# Altium PCB arman-PCB.PcbDoc
Units mm, origin at the board's own origin, x right, y up, seen from the top; angles counter-clockwise.
Board outline 150.24 x 120.76 mm, 2 copper layers (Top Layer, Bottom Layer); 66 components, 68 nets, 240 pads, 10 vias.
Unrouted connection lines stored in the file: 4.
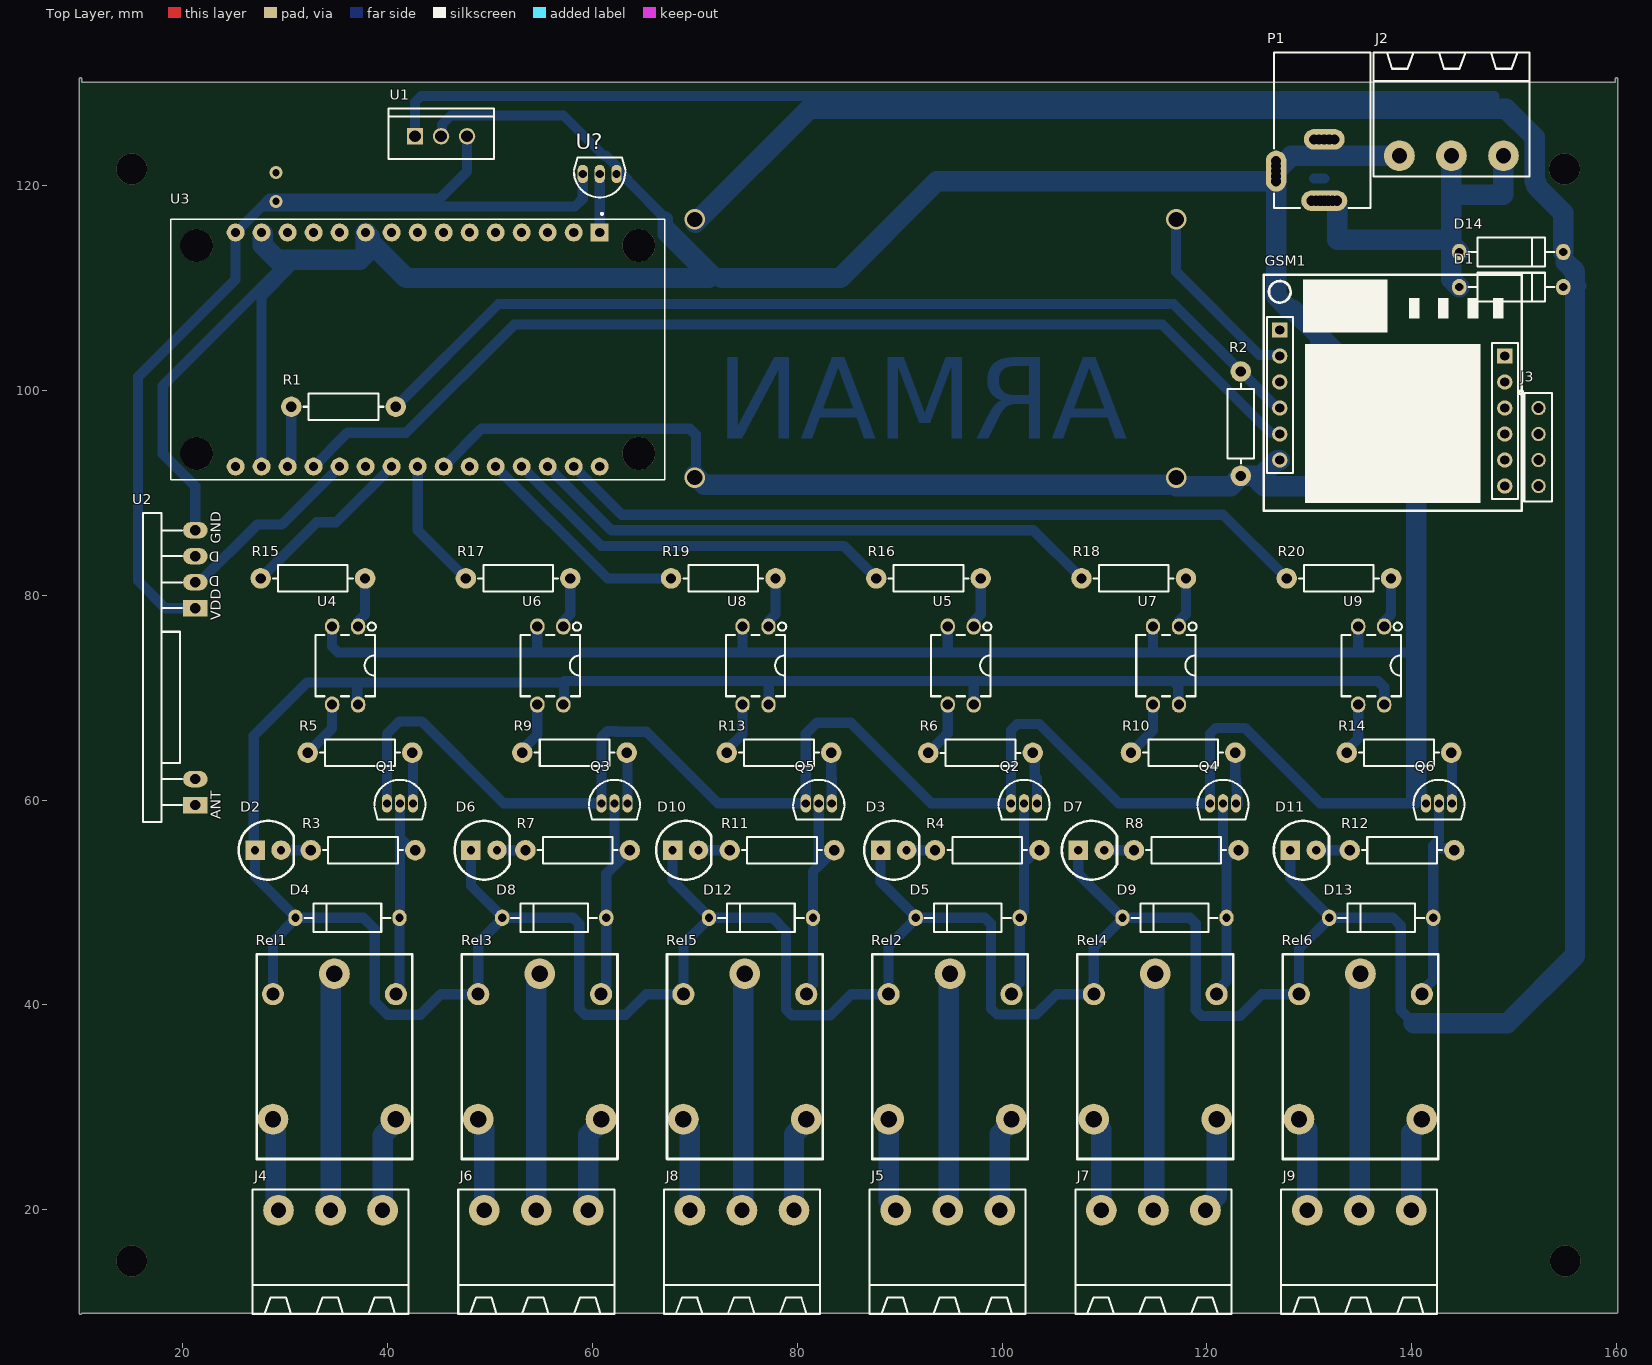
[diagram p0: Top Layer view]
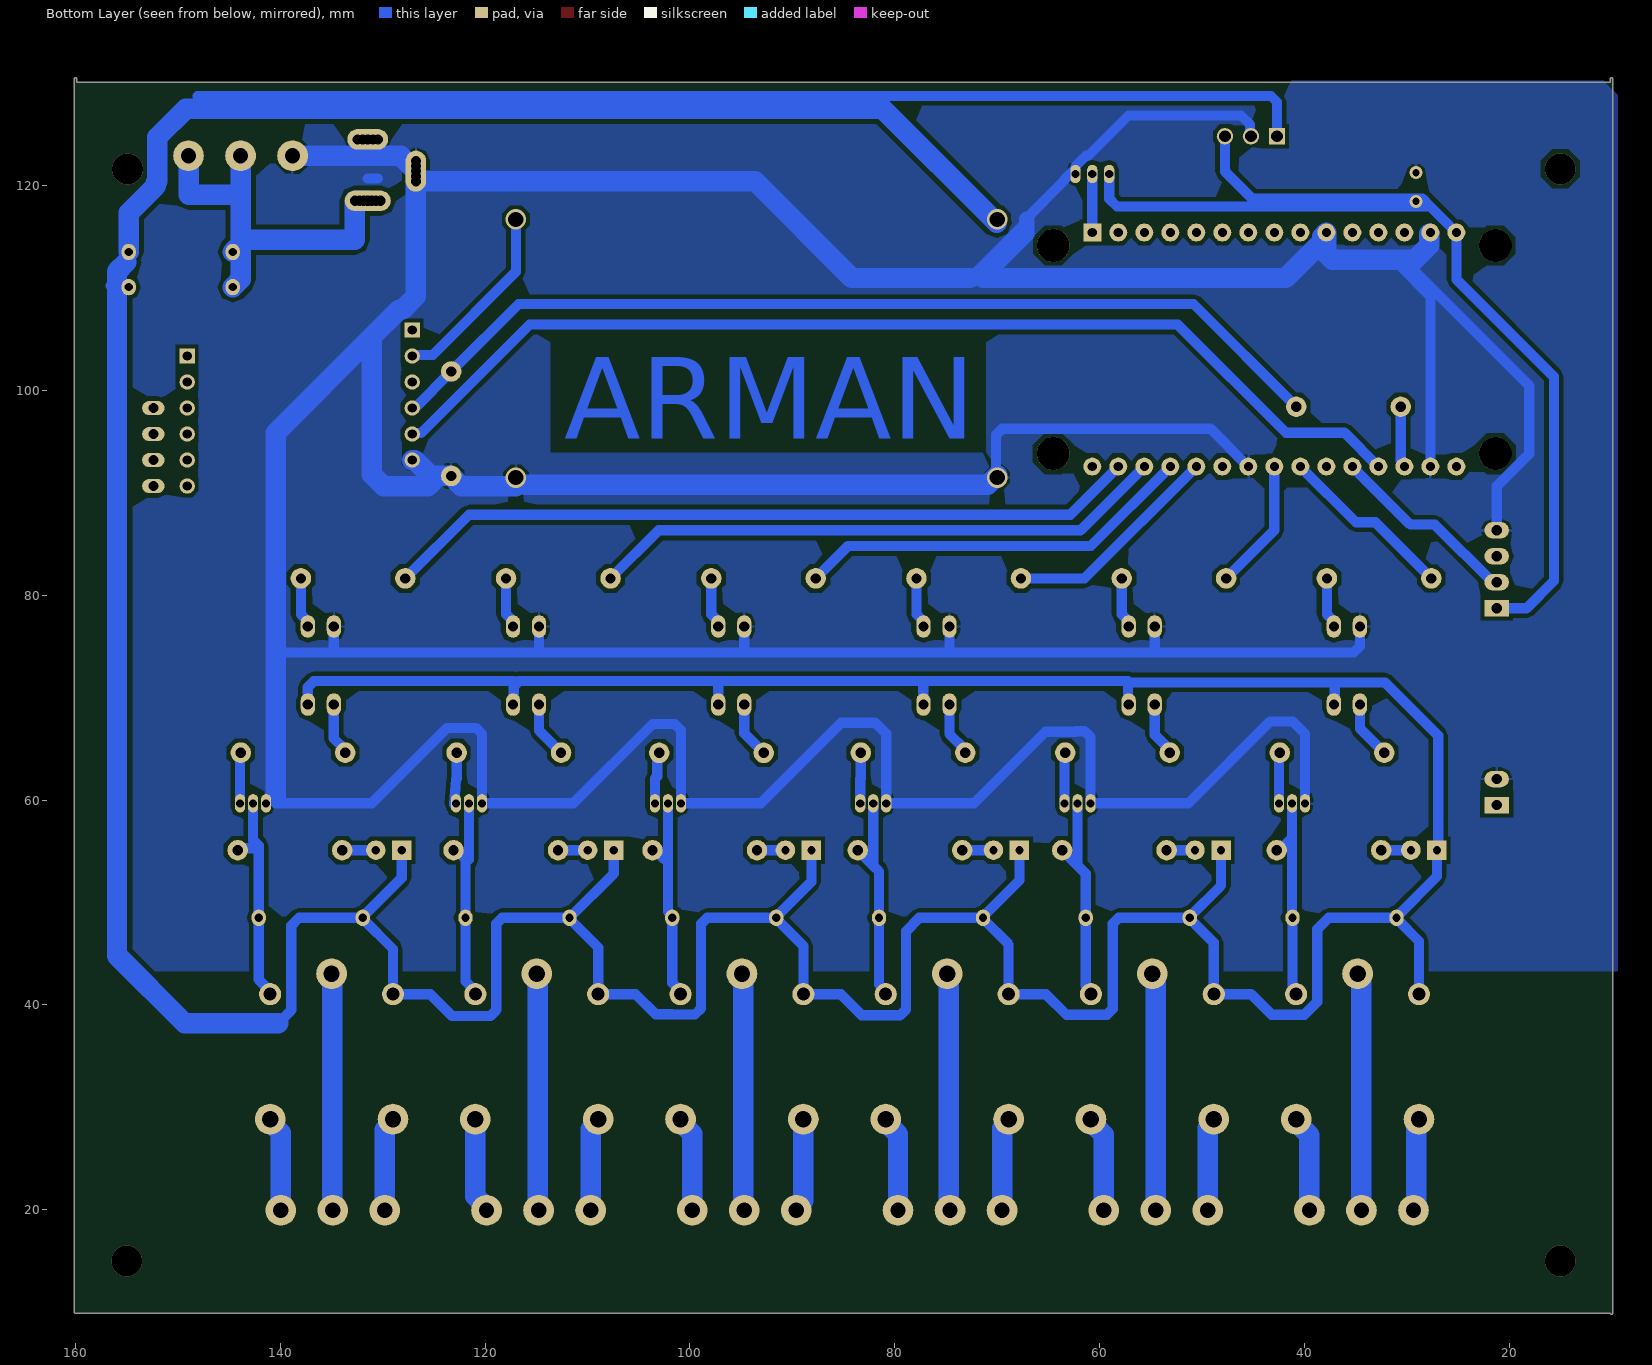
[diagram p1: Bottom Layer view, seen from below]

## Layer stack, top to bottom
Top Solder: solder mask 0.0102, Solder Resist, Dk 3.5
Top Layer: signal copper 0.0356
Dielectric 1: dielectric 0.32, FR-4, Dk 4.8
Bottom Layer: signal copper 0.0356
Bottom Solder: solder mask 0.0102, Solder Resist, Dk 3.5

## Board outline
9.88,9.906 ccw(c10,9.906) 10.117,9.88 160,9.88 ccw(c160,10) 160.12,10 160.12,130.429 ccw(c160,130.429) 159.88,130.429 159.88,130.12 10.12,130.12 10.12,130.429 ccw(c10,130.429) 9.88,130.429

## Design rules (kind name [scope] priority, off if disabled: settings)
Clearance [All] p1: gap=0.4 ignorepadtopadclearanceinfootprint=FALSE
DiffPairsRouting [All] p1: maxlimit=0.4 minlimit=0.05 mostfreqgap=0.2 toplayer_minwidth=0.1 toplayer_maxwidth=0.381 toplayer_prefwidth=0.2 bottomlayer_minwidth=0.1 bottomlayer_maxwidth=0.381 bottomlayer_prefwidth=0.2 maxuncoupledlength=12.7
PlaneClearance [All] p1: clearance=0.8
PolygonConnect PolygonConnect_1 [All vs IsNamedPolygon('GND_L02_P000')] p1: connectstyle=Relief reliefconductorwidth=0.254 reliefentries=4 polygonreliefangle="90 Angle" airgapwidth=0.254
PolygonConnect [All] p2: connectstyle=Relief reliefconductorwidth=0.254 reliefentries=4 polygonreliefangle="90 Angle" airgapwidth=0.4
RoutingCorners [All] p1: cornerstyle=45-Degree minsetback=0.254 maxsetback=0.254
RoutingVias [All] p1: holewidth=0.711 width=1.27 viastyle="Through Hole" minholewidth=0.711 minwidth=1.27 maxholewidth=0.711 maxwidth=1.27
SolderMaskExpansion [All] p1: expansion=0.102 istentingtop=FALSE
Width [All] p1: maxlimit=2 minlimit=0.24 preferedwidth=0.48
27 further rules are at their usual default settings.

## Components (designator, comment, footprint, x,y, rotation, side; value= is the part's Value field where it differs from the comment)
D1 "1N4007" D_AX04_DO41 149.733,110.109 r0 top
D2 "LED" LED 28.321,55.118 r180 top
D3 "LED" LED 89.408,55.118 r180 top
D4 "1N4007" D_AX04_DO41 36.068,48.514 r180 top
D5 "1N4007" D_AX04_DO41 96.647,48.514 r180 top
D6 "LED" LED 49.403,55.118 r180 top
D7 "LED" LED 108.712,55.118 r180 top
D8 "1N4007" D_AX04_DO41 56.261,48.514 r180 top
D9 "1N4007" D_AX04_DO41 116.84,48.514 r180 top
D10 "LED" LED 69.088,55.118 r180 top
D11 "LED" LED 129.413,55.118 r180 top
D12 "1N4007" D_AX04_DO41 76.454,48.514 r180 top
D13 "1N4007" D_AX04_DO41 137.033,48.514 r180 top
D14 "1N4007" D_AX04_DO41 149.733,113.538 r0 top
GSM1 "Sim800L" Sim800L 125.527,111.023 r0 top
J2 "CONN_TB3" MSTB_3 143.891,122.936 r0 top
J3 "HDRF4" HDR_F_1X4 152.4,94.488 r270 top
J4 "CONN_TB3" MSTB_3 34.417,19.939 r180 top
J5 "CONN_TB3" MSTB_3 94.691,19.939 r180 top
J6 "CONN_TB3" MSTB_3 54.508,19.939 r180 top
J7 "CONN_TB3" MSTB_3 114.783,19.939 r180 top
J8 "CONN_TB3" MSTB_3 74.6,19.939 r180 top
J9 "CONN_TB3" MSTB_3 134.874,19.939 r180 top
P1 "PJ" "Power Jack" 131.465,133.036 r270 top
Q1 "C945" TO92_3#1 41.19,59.69 r0 top
Q2 "C945" TO92_3#1 102.15,59.69 r0 top
Q3 "C945" TO92_3#1 62.145,59.69 r0 top
Q4 "C945" TO92_3#1 121.581,59.69 r0 top
Q5 "C945" TO92_3#1 82.104,59.69 r0 top
Q6 "C945" TO92_3#1 142.663,59.69 r0 top
R1 "2.2K" R025W_AX04 35.687,98.425 r0 top
R2 "1K" R025W_AX04 123.317,96.774 r90 top
R3 "2.2K" R025W_AX04 37.592,55.118 r0 top
R4 "2.2K" R025W_AX04 98.552,55.118 r0 top
R5 "1K" R025W_AX04 37.294,64.644 r0 top
R6 "1K" R025W_AX04 97.897,64.623 r0 top
R7 "2.2K" R025W_AX04 58.547,55.118 r0 top
R8 "2.2K" R025W_AX04 117.983,55.118 r0 top
R9 "1K" R025W_AX04 58.249,64.644 r0 top
R10 "1K" R025W_AX04 117.685,64.644 r0 top
R11 "2.2K" R025W_AX04 78.506,55.118 r0 top
R12 "2.2K" R025W_AX04 139.065,55.118 r0 top
R13 "1K" R025W_AX04 78.212,64.644 r0 top
R14 "1K" R025W_AX04 138.767,64.644 r0 top
R15 "220" R025W_AX04 32.694,81.661 r0 top
R16 "220" R025W_AX04 92.816,81.661 r0 top
R17 "220" R025W_AX04 52.735,81.661 r0 top
R18 "220" R025W_AX04 112.856,81.661 r0 top
R19 "220" R025W_AX04 72.775,81.661 r0 top
R20 "220" R025W_AX04 132.897,81.661 r0 top
Rel1 "RelayGH-1C-12L" GH-1C-12L 34.798,34.955 r90 top
Rel2 "RelayGH-1C-12L" GH-1C-12L 94.92,34.955 r90 top
Rel3 "RelayGH-1C-12L" GH-1C-12L 54.839,34.955 r90 top
Rel4 "RelayGH-1C-12L" GH-1C-12L 114.96,34.955 r90 top
Rel5 "RelayGH-1C-12L" GH-1C-12L 74.879,34.955 r90 top
Rel6 "RelayGH-1C-12L" GH-1C-12L 135.001,34.955 r90 top
U1 "7805" 7805_Requlator 45.212,124.841 r0 top
U2 "RXB-22 433MHZ" RF_ETRXB 21.209,82.55 r90 top
U3 "NodeMCU" NodeMCU -10.795,245.872 r270 top
U4 "PC817" DIP_4 35.842,73.152 r270 top
U5 "PC817" DIP_4 95.964,73.152 r270 top
U6 "PC817" DIP_4 55.883,73.152 r270 top
U7 "PC817" DIP_4 116.005,73.152 r270 top
U8 "PC817" DIP_4 75.924,73.152 r270 top
U9 "PC817" DIP_4 136.045,73.152 r270 top
U? "LM35" TO92_3#2 60.706,121.158 r180 top

## Footprints (in the part's own frame and the unit in brackets; to place one, negate y for a bottom-side part, rotate by r counter-clockwise, add the part's x,y. Pads: shape width x height; smd on the part's side, far side on the other; paste and mask are expansions set on the pad)
7805_Requlator [mm] "7805 Positive Regulator"
  rect 1.6x1.6 hole 1.143: 1(-2.54,0)
  round 1.6 hole 1.143: 2(0,0) 3(2.54,0)
  silkscreen extent -5.15,-2.2 5.15,2.7, body extent -4.95,-2.16 4.95,2.34, height 20.8
D_AX04_DO41 [mm] "DIODE 0.4 INCH SPACING DO-41"
  oval 1.4x1.6 hole 0.8: 1(-5.08,0) 2(5.08,0)
  silkscreen extent -4.2,-1.4 4.2,1.4, body extent -5.68,-1.32 5.68,1.4, height 2.85
DIP_4 [mm] "BRIDGE DIODE, DIP, pitch 2.54mm, 300mil Width"
  oval 1.6x1.4 / inner round 1.4 / far side oval 2.2x1.4 hole 1: 1(-3.81,1.27) 2(-3.81,-1.27) 3(3.81,-1.27) 4(3.81,1.27)
  silkscreen extent -4.2,-2.9 3,3, body extent -4,-2.77 4,2.77, height 4.31
GH-1C-12L [mm]
  round 3 hole 1.6: 1(8.1,0) 3(-6.1,6) 4(-6.1,-6)
  round 2.159 hole 1.27: 2(6.1,6) 5(6.1,-6)
  silkscreen extent -10,-7.6 10,7.6, body extent -9.71,-7.98 9.79,7.92, height 15
HDR_F_1X4 [mm] "HEADER FEMALE pitch: 2.54mm"
  round 1.4 / inner round 1.4 / far side oval 1.4x2.2 hole 1 mask+0.1: 1(-3.81,0) 2(-1.27,0) 3(1.27,0) 4(3.81,0)
  silkscreen extent -5.54,-1.9 5.3,1.3, body extent -5.2,-1.3 5.21,1.2, height 8.5
LED [mm]
  rect 1.9x1.9 hole 0.8: 1(1.27,0)
  round 1.9 hole 0.8: 2(-1.27,0)
  silkscreen extent -2.52,-2.87 2.87,2.87, body extent -2.95,-2.95 2.95,2.95, height 8.79
MSTB_3 [mm] "PHOENIX MSTB 2, 5-G, 5.08mm pitch, 3pin"
  round 3 hole 1.5: 1(-5.08,0) 2(0,0) 3(5.08,0)
  silkscreen extent -7.62,-2.03 7.62,10.1, body extent -7.5,-2 7.5,10, height 8.6
NodeMCU [mil]
  rect 69x69 hole 35: 1(5135,2815)
  round 69 hole 35: 2(5135,2715) 3(5135,2615) 4(5135,2515) 5(5135,2415) 6(5135,2315) 7(5135,2215) 8(5135,2115) 9(5135,2015) 10(5135,1915) 11(5135,1815) 12(5135,1715) 13(5135,1615) 14(5135,1515) 15(5135,1415) 16(6035,1415) 17(6035,1515) 18(6035,1615) 19(6035,1715) 20(6035,1815) 21(6035,1915) 22(6035,2015) 23(6035,2115) 24(6035,2215) 25(6035,2315) 26(6035,2415) 27(6035,2515) 28(6035,2615) 29(6035,2715) 30(6035,2815)
  round 125.98 hole 125.98 unplated: ""(5185,2965) ""(5185,1265) ""(5985,2965) ""(5985,1265)
  silkscreen extent 5059,1165 6085,3065, body extent 5085,1156 6085,3070, height 505
"Power Jack" [mm] "Power Adaptor Jack"
  round 1.5 hole 1: 1(14.5,-1.25) 1(14.5,-0.8) 1(14.5,-0.4) 1(14.5,0.4) 1(14.5,0.8) 1(14.5,1.25) 2(8.5,-1) 2(8.5,1) 2(8.5,-0.5) 2(8.5,0.5) 3(10.6,-4.7) 3(11.1,-4.7) 3(12.1,-4.7) 3(12.6,-4.7)
  oval 2x4.5 hole 1: 1(14.5,0)
  oval 2x4 hole 1: 2(8.5,0)
  oval 4x2 hole 1: 3(11.6,-4.7)
  silkscreen extent 0,-4.9 15.2,4.5, body extent 0,-4.9 15.2,4.5, height 11
R025W_AX04 [mm] "RESISTOR 1/4 WATT, AXIAL0.4"
  round 2 hole 1: 1(-5.1,0) 2(5.1,0)
  silkscreen extent -3.9,-1.3 3.9,1.3, body extent -5.38,-1.28 5.38,1.28, height 2.6
RF_ETRXB [mm] "Module RF, Receiver, ET-RXB-12, ET-RXB-22"
  rect 1.6x2.4 hole 1: 1(-23.03,0) 3(-3.81,0)
  oval 1.6x2.4 hole 1: 2(-20.49,0) 4(-1.27,0) 5(1.27,0) 6(3.81,0)
  silkscreen extent -24.7,1.3 5.5,5.1, body extent -24.6,-2.05 5.4,6.4, height 8.5
Sim800L [mm]
  rect 1.5x1.5 hole 0.9: 1(1.6,-5.105) 7(23.571,-7.645)
  round 1.5 hole 0.9: 2(1.6,-7.645) 3(1.6,-10.185) 4(1.6,-12.725) 5(1.6,-15.265) 6(1.6,-17.805) 8(23.571,-10.185) 9(23.571,-12.725) 10(23.571,-15.265) 11(23.571,-17.805) 12(23.571,-20.345)
  silkscreen extent 0.03,-22.76 25.22,0.28, body extent 0.12,-23 25.12,0.14, height 10.1
TO92_3#1 [mm] "TO-92, SOT54"
  oval 1x1.8 hole 0.8 mask+0.1: 1(-1.27,0) 2(0,0) 3(1.27,0)
  silkscreen extent -2.5,-1.59 2.5,2.3, body extent -2.38,-1.45 2.38,2.18, height 4.82
TO92_3#2 [mm] "TO-92, SOT54"
  oval 1x1.8 hole 0.8 mask+0.1: 1(-1.651,0) 2(0,0) 3(1.651,0)
  silkscreen extent -2.5,-1.59 2.5,2.3, body extent -2.38,-1.45 2.38,2.18, height 4.82

## Part data
D1 D4 D5 D8 D9 D12 D13 D14: library part DIODE_THD_1N4007, "DIODE, GENERAL PURPOSE, 1000V/1A", ASSEMBLY=ASSEMBLY, DESC=DESCRIPTION, MANF=Diodes, MANF_P#=1N4007, PARAM="1000V, 1.15V", PARAM2=1.5A, Price=PRICE
D2 D3 D6 D7 D10 D11: "Led", LatestRevisionDate=08-Jul-2005, LatestRevisionNote="Mech Layer 1 removed.", PackageReference=LED-0, Published=8-Jun-2000, PUBLISHER="Altium Limited"
J2 J4 J5 J6 J7 J8 J9: library part CONN_MSTB_3, "CONN, PHOENIX MSTB, 5-G, 5.08mm pitch"
J3: library part HDR_F_1X4, "CONN, HEADER, Female, pitch: 2.54mm, 4POS"
P1: library part "Power Jack", "Power Jack"
Q1 Q2 Q3 Q4 Q5 Q6: library part NPN_C945_TO92, "BJT, NPN, 50v, 0.15A, THD, TO92, BC945", MANF=-, MANF_P#="C945, 2SC945, BC945", PARAM="50v, 0.15A", PARAM2=250mW
R1 R2 R3 R4 R5 R6 R7 R8 R9 R10 R11 R12 R13 R14 R15 R16 R17 R18 R19 R20: library part RES_THD, "RESISTOR, THD", ASSEMBLY=ASSEMBLY, DESC=DESCRIPTION, DIST#=MOUSER, MANF="KOA SPEER", MANF_P#=RK73H1ETTP4701F, PARAM=0.063W, PARAM2=1%, Price="100= 0.5$"
Rel1 Rel2 Rel3 Rel4 Rel5 Rel6: "HJR-3FF-12VDC-S-Z"
U1: "Three-Terminal Positive Voltage Regulator", Code_JEDEC=TO-262-AA, ComponentLink1Description="Manufacturer Link", ComponentLink1URL=http://www.onsemi.com/site/products/taxonomy/0,4438,503,00.html, ComponentLink2Description=Datasheet, ComponentLink2URL=http://www.onsemi.com/pub/Collateral/MC7800-D.PDF, DatasheetVersion=1997, Note="Heatsink surface is connected to Pin 2", PackageDescription="TO, Thru-Hole, Vertical, Heatsink Mounted; 3 In-Line Leads; Pitch 2.54 mm", PackageReference=221A-06, PackageVersion=1997, PUBLISHER="Altium Limited"
U2: library part ET-RXB-22, "Modules RF 433MHz", MANF=www.eeant.com, MANF_P#=ET-RXB-22, PARAM="433MHz, 2.4Kbps, -30~85oC", PARAM2=3.3~5.5VCC, Price=7t@ECA
U3: "NodeMcu Lua ESP8266 WIFI Internet of Things Network Development Module Board", Package=None, Availability=Unavailable, MF=YKS, MP=ZC563900, Price=None, SnapEDA_Link=https://www.snapeda.com/parts/ZC563900/YKS/view-part/607853/?ref=snap
U4 U5 U6 U7 U8 U9: library part OPTC_TR4P_PC817, "OPTOCOUPLER, TRANSISTOR, 4PIN", MANF=SHARP, MANF_P#=PC817, PARAM=IF=20mA, PARAM2="VCE = 35V", Price=-
U?: library part TMP_LM35_TO92, "SENSOR, TEMP, ANALOG, -55~150oC, 4~20Vcc, Out 0mV + 10mV/oC", MANF=TI, MANF_P#="LM35CZ, LM35CAZ or LM35DZ", PARAM="0.5°C Accuracy, 10mV/oC, -55~150oC", PARAM2=4~20Vcc, Price=7$

## Via types
v1: diameter 2, hole 1.5, Top Layer to Bottom Layer, 4 vias
v2: diameter 3, hole 3, Top Layer to Bottom Layer, 4 vias
v3: diameter 1.27, hole 0.711, Top Layer to Bottom Layer, 2 vias

## Nets (pads, with @x,y where several pads share a name; then routed paths per layer and width w, separated by ;. In a path a pad name is that pad's centre, name@x,y a point inside that pad or via, vN(x,y) a via of type N, cw(c..) or ccw(c..) an arc to the next point about the centre after c; other vN are vias at no path point)
4.2V: GSM1.2 | length 18.6
  Bottom Layer w1: v1(117,116.717) 117,111.6 125.126,103.474 127.031,103.474 GSM1.2
5V: U1.3 U2.3 U3.15 U?.3 | length 107.3
  Bottom Layer w1: U2.3 18.288,78.74 15.621,81.407 15.621,101.346 25.146,110.871 U3.15 27.686,117.983 ; U1.3 47.752,121.412 45.085,118.745 28.448,118.745 27.686,117.983 ; U?.3 59.055,118.745 58.293,117.983 27.686,117.983
  other v3: 29.083,118.491
12_24VDC: D1.1 D14.1 J2.2 J2.3 P1.1 | length 38.8
  Bottom Layer w2: P1.1@131.465,118.536 131.865,118.536 132.265,118.536 132.715,118.536 132.715,114.726 143.465,114.726 143.891,114.3 ; 143.891,113.538 143.891,110.871 D1.1 ; J2.2 143.891,119.126 ; D14.1 143.891,114.3 ; J2.3 148.971,119.126 143.891,119.126 ; 143.891,114.3 143.891,119.126
12V: D1.2 D2.1 D3.1 D4.2 D5.2 D6.1 D7.1 D8.2 D9.2 D10.1 D11.1 D12.2 D13.2 D14.2 Rel1.2 Rel2.2 Rel3.2 Rel4.2 Rel5.2 Rel6.2 U1.1 U4.4 U5.4 U6.4 U7.4 U8.4 U9.4 | length 686.5
  Bottom Layer w1: Rel1.2 28.798,46.224 30.988,48.414 D4.2 ; U4.4 37.036,69.419 37.036,71.422 36.957,71.501 ; U1.1 42.672,128.192 43.258,128.778 148.082,128.778 ; D6.1 48.133,51.662 51.181,48.614 D8.2 ; U6.4 57.23,69.419 57.23,71.501 36.957,71.501 ; 57.23,71.628 77.216,71.628 ; D10.1 67.818,52.17 71.374,48.614 D12.2 ; U8.4 77.216,69.364 77.216,71.628 ; D3.1 88.138,52.043 91.567,48.614 D5.2 ; U5.4 97.234,71.628 ; D7.1 107.442,52.832 D9.2 ; U7.4 117.198,69.419 117.198,71.143 ; D11.1 128.143,52.424 131.953,48.614 D13.2 ; U9.4 137.315,71.042 136.73,71.628 117.198,71.628 117.198,71.143 ; 140.208,38.227 138.938,39.497 138.938,47.752 138.176,48.514 D13.2 ; D1.2 D1.2@154.955,110.251 ; D1.2@155.336,110.251 156.591,110.251 ; D4.2 37.608,48.514 38.735,47.387 38.735,40.319 40.014,39.04 43.183,39.04 45.199,41.055 Rel3.2 48.839,46.072 51.181,48.414 D8.2 ; D4.2 30.988,48.614 27.051,52.551 D2.1 26.924,55.245 26.924,66.294 32.131,71.501 36.957,71.501 ; D8.2 58.114,48.514 58.699,47.928 58.699,39.626 59.285,39.04 63.224,39.04 65.239,41.055 Rel5.2 68.879,45.919 71.374,48.414 D12.2 ; D12.2 77.597,48.514 78.892,47.219 78.892,39.575 79.478,38.989 83.214,38.989 85.28,41.055 Rel2.2 88.92,45.767 91.567,48.414 D5.2 ; 77.216,71.628 97.234,71.628 ; D5.2 98.322,48.514 98.908,47.928 98.908,39.676 99.508,39.076 101.74,39.076 101.755,39.091 103.356,39.091 105.32,41.055 Rel4.2 108.96,45.614 111.76,48.414 D9.2 ; 97.234,71.628 116.713,71.628 117.198,71.143 ; D9.2 118.337,48.514 118.923,47.928 118.923,39.499 119.509,38.913 123.219,38.913 125.361,41.055 Rel6.2 129.001,45.462 131.953,48.414 D13.2
  Bottom Layer w2: v1@70.04,116.395 70.181,116.536 81.153,127.508 149.25,127.508 152.026,124.732 152.026,120.451 152.172,120.305 152.172,119.989 154.813,117.348 D14.2 ; 140.208,38.227 149.352,38.227 155.956,44.831 155.956,111.633 155.067,112.522
  other v1: 70,116.717
GND: GSM1.6 J2.1 P1.2 P1.3 Q1.1 Q2.1 Q3.1 Q4.1 Q5.1 Q6.1 R2.1 U1.2 U2.2 U2.6 U3.10 U3.14 U3.17 U3.24 U4.2 U5.2 U6.2 U7.2 U8.2 U9.2 U?.1 | length 671
  Bottom Layer w1: U2.6 21.209,90.651 18.034,93.826 18.034,100.457 30.353,112.776 ; U3.17 27.686,109.22 30.59,112.124 ; U3.14 U3.14@27.795,115.334 ; U4.2 34.572,75.008 35.158,74.422 54.737,74.422 ; Q1.1 39.92,66.463 41.148,67.691 43.307,67.691 51.308,59.69 Q3.1 60.875,66.157 61.46,66.743 62.289,66.743 62.357,66.675 65.278,66.675 72.263,59.69 Q5.1 80.834,66.483 81.915,67.564 85.217,67.564 93.091,59.69 Q2.1 100.88,66.851 101.465,67.437 103.632,67.437 111.379,59.69 Q4.1 120.311,66.47 120.896,67.056 123.698,67.056 131.064,59.69 140.462,59.69 ; U1.2 45.305,124.934 45.305,126.001 46.177,126.873 57.164,126.873 61.079,122.958 61.286,122.958 62.357,121.887 U?.1@62.357,121.558 ; U3.24 49.149,96.266 69.518,96.266 70.104,95.68 70.104,91.821 v1@70,91.717 ; U6.2 54.613,74.546 54.737,74.422 ; U?.1@62.421,121.616 63.478,120.559 63.478,120.477 67.163,116.792 ; 67.12,116.522 72.009,111.633 72.644,110.998 ; U8.2 74.654,74.437 74.638,74.422 ; U5.2 94.694,74.628 94.488,74.422 ; U7.2 114.735,74.528 114.84,74.422 ; 130.465,120.726 131.465,120.726 ; U9.2 134.775,74.775 135.128,74.422 ; 140.462,74.422 135.128,74.422 ; 54.737,74.422 74.638,74.422 ; 74.638,74.422 94.488,74.422 ; 94.488,74.422 114.84,74.422 ; 114.84,74.422 135.128,74.422
  Bottom Layer w1.5: 67.12,116.749 67.12,115.252 71.374,110.998
  Bottom Layer w2: U3.14@27.795,115.334 27.795,114.191 29.21,112.776 30.353,112.776 37.26,112.776 37.846,113.362 U3.10 38.256,115.033 38.256,114.561 41.818,110.998 71.374,110.998 ; v1@70,91.717 70.912,90.805 116.088,90.805 ; 72.644,110.998 84.201,110.998 93.639,120.436 P1.3@126.765,120.436 ; v1@117,90.678 122.321,90.678 R2.1 124.587,91.674 ; GSM1.6 126.873,93.218 125.329,91.674 124.587,91.674 ; J2.1 128.265,122.936 126.765,121.436 126.765,120.936 P1.3@126.765,120.436 ; 140.462,60.325 140.462,74.422 ; 140.462,70.612 140.462,95.856 131.064,105.254 ; 124.587,91.674 125.583,90.678 129.892,90.678 131.064,91.85 131.064,105.254 ; P1.3@126.765,120.436 126.765,109.201 128.044,107.922 128.396,107.922 131.064,105.254
  other v1: 70,91.51 117,91.51
  other v3: 29.083,121.285
NetD2_2: D2.2 R3.1 | length 2.9
  Bottom Layer w1: D2.2 R3.1
NetD3_2: D3.2 R4.1 | length 2.8
  Bottom Layer w1: D3.2 R4.1
NetD4_1: D4.1 Q1.2 R3.2 Rel1.5 | length 20.8
  Bottom Layer w1: Rel1.5 40.798,41.369 41.148,41.719 D4.1 41.19,48.556 41.19,56.261 ; Q1.2 41.19,56.261 ; R3.2 42.421,55.118 41.278,56.261 41.19,56.261
NetD5_1: D5.1 Q2.2 R4.2 Rel2.5 | length 21
  Bottom Layer w1: Rel2.5 100.92,41.369 101.727,42.176 D5.1 101.727,48.722 102.15,49.145 102.15,54.229 ; Q2.2 102.15,54.229 ; R4.2 103.381,55.118 102.492,54.229 102.15,54.229
NetD6_2: D6.2 R7.1 | length 2.8
  Bottom Layer w1: D6.2 R7.1
NetD7_2: D7.2 R8.1 | length 2.9
  Bottom Layer w1: D7.2 R8.1
NetD8_1: D8.1 Q3.2 R7.2 Rel3.5 | length 21.3
  Bottom Layer w1: Rel3.5 60.839,41.369 61.341,41.871 D8.1 61.341,52.812 62.145,53.616 ; Q3.2 62.145,53.616 ; R7.2 62.145,53.616
NetD9_1: D9.1 Q4.2 R8.2 Rel4.5 | length 21
  Bottom Layer w1: Rel4.5 120.96,41.369 121.92,42.328 D9.1 121.92,53.875 121.581,54.214 ; Q4.2 121.581,54.214 ; R8.2 122.812,55.118 121.908,54.214 121.581,54.214
NetD10_2: D10.2 R11.1 | length 3
  Bottom Layer w1: D10.2 R11.1
NetD11_2: D11.2 R12.1 | length 3.3
  Bottom Layer w1: D11.2 R12.1
NetD12_1: D12.1 Q5.2 R11.2 Rel5.5 | length 21.3
  Bottom Layer w1: Rel5.5 80.879,41.369 81.534,42.023 D12.1 81.534,53.046 82.104,53.616 ; Q5.2 82.104,53.616 ; R11.2 82.104,53.616
NetD13_1: D13.1 Q6.2 R12.2 Rel6.5 | length 21.6
  Bottom Layer w1: Rel6.5 141.001,41.369 142.113,42.481 D13.1 142.113,55.547 ; Q6.2 142.663,56.096 142.113,55.547 ; R12.2 143.974,55.309 142.35,55.309 142.113,55.547
NetGSM1_4: GSM1.4 R1.2 R2.2 | length 94.7
  Bottom Layer w1: R1.2 50.82,108.458 116.733,108.458 R2.2 126.797,98.394 127.031,98.394 GSM1.4
NetGSM1_9: GSM1.9 J3.1
NetGSM1_10: GSM1.10 J3.2
NetGSM1_11: GSM1.11 J3.3
NetGSM1_12: GSM1.12 J3.4
NetJ4_1: J4.1 Rel1.4 | length 9.5
  Bottom Layer w2: J4.1 39.497,27.283 40.798,28.584 Rel1.4
NetJ4_2: J4.2 Rel1.1 | length 23.3
  Bottom Layer w2: J4.2 34.417,42.403 34.798,42.784 Rel1.1
NetJ4_3: J4.3 Rel1.3 | length 9.1
  Bottom Layer w1: Rel1.3 Rel1.3@29.068,28.586 ; J4.3@29.068,20.208 J4.3
  Bottom Layer w2: J4.3@29.068,20.208 Rel1.3@29.068,28.586
NetJ5_1: J5.1 Rel2.4 | length 9.4
  Bottom Layer w2: J5.1 99.771,27.436 100.92,28.584 Rel2.4
NetJ5_2: J5.2 Rel2.1 | length 23.2
  Bottom Layer w2: J5.2 94.805,20.053 94.805,42.941 Rel2.1
NetJ5_3: J5.3 Rel2.3 | length 9.2
  Bottom Layer w2: Rel2.3 88.92,20.901 89.611,20.21 J5.3
NetJ6_1: J6.1 Rel3.4 | length 9.4
  Bottom Layer w2: J6.1 59.588,27.334 60.839,28.584 Rel3.4
NetJ6_2: J6.2 Rel3.1 | length 23.3
  Bottom Layer w2: J6.2 54.508,42.454 54.839,42.784 Rel3.1
NetJ6_3: J6.3 Rel3.3 | length 9.2
  Bottom Layer w2: Rel3.3 48.839,28.584 49.428,27.995 J6.3
NetJ7_1: J7.1 Rel4.4 | length 9.4
  Bottom Layer w2: J7.1 119.863,20.21 120.96,21.307 Rel4.4
NetJ7_2: J7.2 Rel4.1 | length 23.2
  Bottom Layer w2: J7.2 114.871,20.028 114.871,42.966 Rel4.1
NetJ7_3: J7.3 Rel4.3 | length 9.2
  Bottom Layer w2: Rel4.3 108.96,28.584 109.703,27.842 J7.3
NetJ8_1: J8.1 Rel5.4 | length 9.4
  Bottom Layer w2: J8.1 79.68,27.385 80.879,28.584 Rel5.4
NetJ8_2: J8.2 Rel5.1 | length 23.2
  Bottom Layer w2: J8.2 74.739,20.079 74.739,42.915 Rel5.1
NetJ8_3: J8.3 Rel5.3 | length 9.2
  Bottom Layer w2: Rel5.3 68.879,28.584 69.52,27.944 J8.3
NetJ9_1: J9.1 Rel6.4 | length 9.3
  Bottom Layer w2: J9.1 139.954,27.537 141.001,28.584 Rel6.4
NetJ9_2: J9.2 Rel6.1 | length 23.2
  Bottom Layer w2: J9.2 134.937,20.002 134.937,42.992 Rel6.1
NetJ9_3: J9.3 Rel6.3 | length 9.2
  Bottom Layer w2: Rel6.3 129.001,28.584 129.794,27.791 J9.3
NetQ1_3: Q1.3 R5.2 | length 5
  Bottom Layer w1: R5.2 42.46,64.578 Q1.3
NetQ2_3: Q2.3 R6.2 | length 5.1
  Bottom Layer w1: R6.2 103.188,64.432 103.188,62.321 103.42,62.09 Q2.3
NetQ3_3: Q3.3 R9.2 | length 5
  Bottom Layer w1: R9.2 63.415,64.578 Q3.3
NetQ4_3: Q4.3 R10.2 | length 5.1
  Bottom Layer w1: R10.2 122.785,62.144 122.851,62.078 Q4.3@123.012,59.614
NetQ5_3: Q5.3 R13.2 | length 5
  Bottom Layer w1: R13.2 83.312,62.144 83.374,62.083 Q5.3
NetQ6_3: Q6.3 R14.2 | length 5
  Bottom Layer w1: R14.2 143.933,64.578 Q6.3
NetR5_1: R5.1 U4.3 | length 5.7
  Bottom Layer w1: R5.1 34.572,67.023 U4.3
NetR6_1: R6.1 U5.3 | length 5.5
  Bottom Layer w1: R6.1 94.694,66.52 U5.3
NetR9_1: R9.1 U6.3 | length 5.3
  Bottom Layer w1: R9.1 53.149,64.915 54.613,66.379 U6.3
NetR10_1: R10.1 U7.3 | length 5.6
  Bottom Layer w1: R10.1 114.735,66.795 U7.3
NetR13_1: R13.1 U8.3 | length 5.3
  Bottom Layer w1: R13.1 73.112,64.915 74.654,66.457 U8.3
NetR14_1: R14.1 U9.3 | length 5.2
  Bottom Layer w1: R14.1 133.667,64.915 134.775,66.024 U9.3
NetR15_2: R15.2 U4.1 | length 5
  Bottom Layer w1: U4.1 37.112,77.47 37.794,78.152 R15.2
NetR16_2: R16.2 U5.1 | length 5
  Bottom Layer w1: U5.1 97.234,77.47 97.916,78.152 R16.2
NetR17_2: R17.2 U6.1 | length 5
  Bottom Layer w1: U6.1 57.153,77.47 57.835,78.152 R17.2
NetR18_2: R18.2 U7.1 | length 5
  Bottom Layer w1: U7.1 117.275,77.47 117.956,78.152 R18.2
NetR19_2: R19.2 U8.1 | length 5
  Bottom Layer w1: U8.1 77.194,77.47 77.875,78.152 R19.2
NetR20_2: R20.2 U9.1 | length 5
  Bottom Layer w1: U9.1 137.315,77.47 137.997,78.152 R20.2
NetU3_1: U3.1 U?.2 | length 6
  Bottom Layer w1: U3.1 U?.2@60.706,121.412
OUTPUT1: R15.1 U3.22 | length 17.3
  Bottom Layer w1: R15.1 33.079,87.146 34.949,87.146 U3.22
OUTPUT2: R17.1 U3.23 | length 12.9
  Bottom Layer w1: U3.23 42.926,86.37 R17.1
OUTPUT3: R19.1 U3.26 | length 21.7
  Bottom Layer w1: U3.26 61.468,81.661 R19.1
OUTPUT4: R16.1 U3.27 | length 39.2
  Bottom Layer w1: U3.27 60.833,84.836 84.541,84.836 R16.1
OUTPUT5: R18.1 U3.28 | length 56.7
  Bottom Layer w1: U3.28 61.849,86.36 103.057,86.36 R18.1
OUTPUT6: R20.1 U3.29 | length 74.2
  Bottom Layer w1: U3.29 62.865,87.884 121.574,87.884 R20.1
RF-R1: U2.4 U3.20 | length 18.8
  Bottom Layer w1: U2.4 21.609,81.28 27.246,86.917 29.64,86.917 U3.20
UART2-RX: GSM1.5 U3.19 | length 104.5
  Bottom Layer w1: U3.19 36.068,95.885 41.783,95.885 52.349,106.451 115.672,106.451 126.269,95.854 127.031,95.854 GSM1.5
UART2-TX: R1.1 U3.18 | length 6
  Bottom Layer w1: U3.18 30.226,92.787 30.587,93.148 R1.1
pads on no net: GSM1.1 GSM1.3 GSM1.7 GSM1.8 U2.1 U2.5 U3. U3.2 U3.3 U3.4 U3.5 U3.6 U3.7 U3.8 U3.9 U3.11 U3.12 U3.13 U3.16 U3.21 U3.25 U3.30
copper on no net:
  other v2: 15,15 155,15 15,121.652 154.926,121.652

## Polygon pours and split planes (outlines as drawn)
GND on Bottom Layer "GND_L02_P000" (solid, remove dead copper, pour order 0): 9.525,130.302 9.398,130.175 9.398,43.18 9.525,43.307 160.274,43.307 160.274,130.048 160.401,130.175

## Other copper
Bottom Layer:
  text "ARMAN" at 112.259,95.31 h8

## Silkscreen, mask and mechanical layers (free items; w line width, h text height)
Mechanical 1:
  lines w0.24: 10,9.906 10,130.429 ; 10,10 160,10 160,130 10,130 ; 10.033,10.033 11.43,10.033

## Text inside footprints (layer, text, board x,y; h text height)
U2: Top Overlay "VDD" at 23.709,77.55 h1 r90; Top Overlay "D" at 23.609,81.85 h1 r180; Top Overlay "D" at 23.609,84.25 h1 r180; Top Overlay "GND" at 23.709,85.05 h1 r90; Top Overlay "ANT" at 23.709,58.15 h1 r90